# Altium PCB Lancelot.PcbDoc (part 8 of 14) (continued)
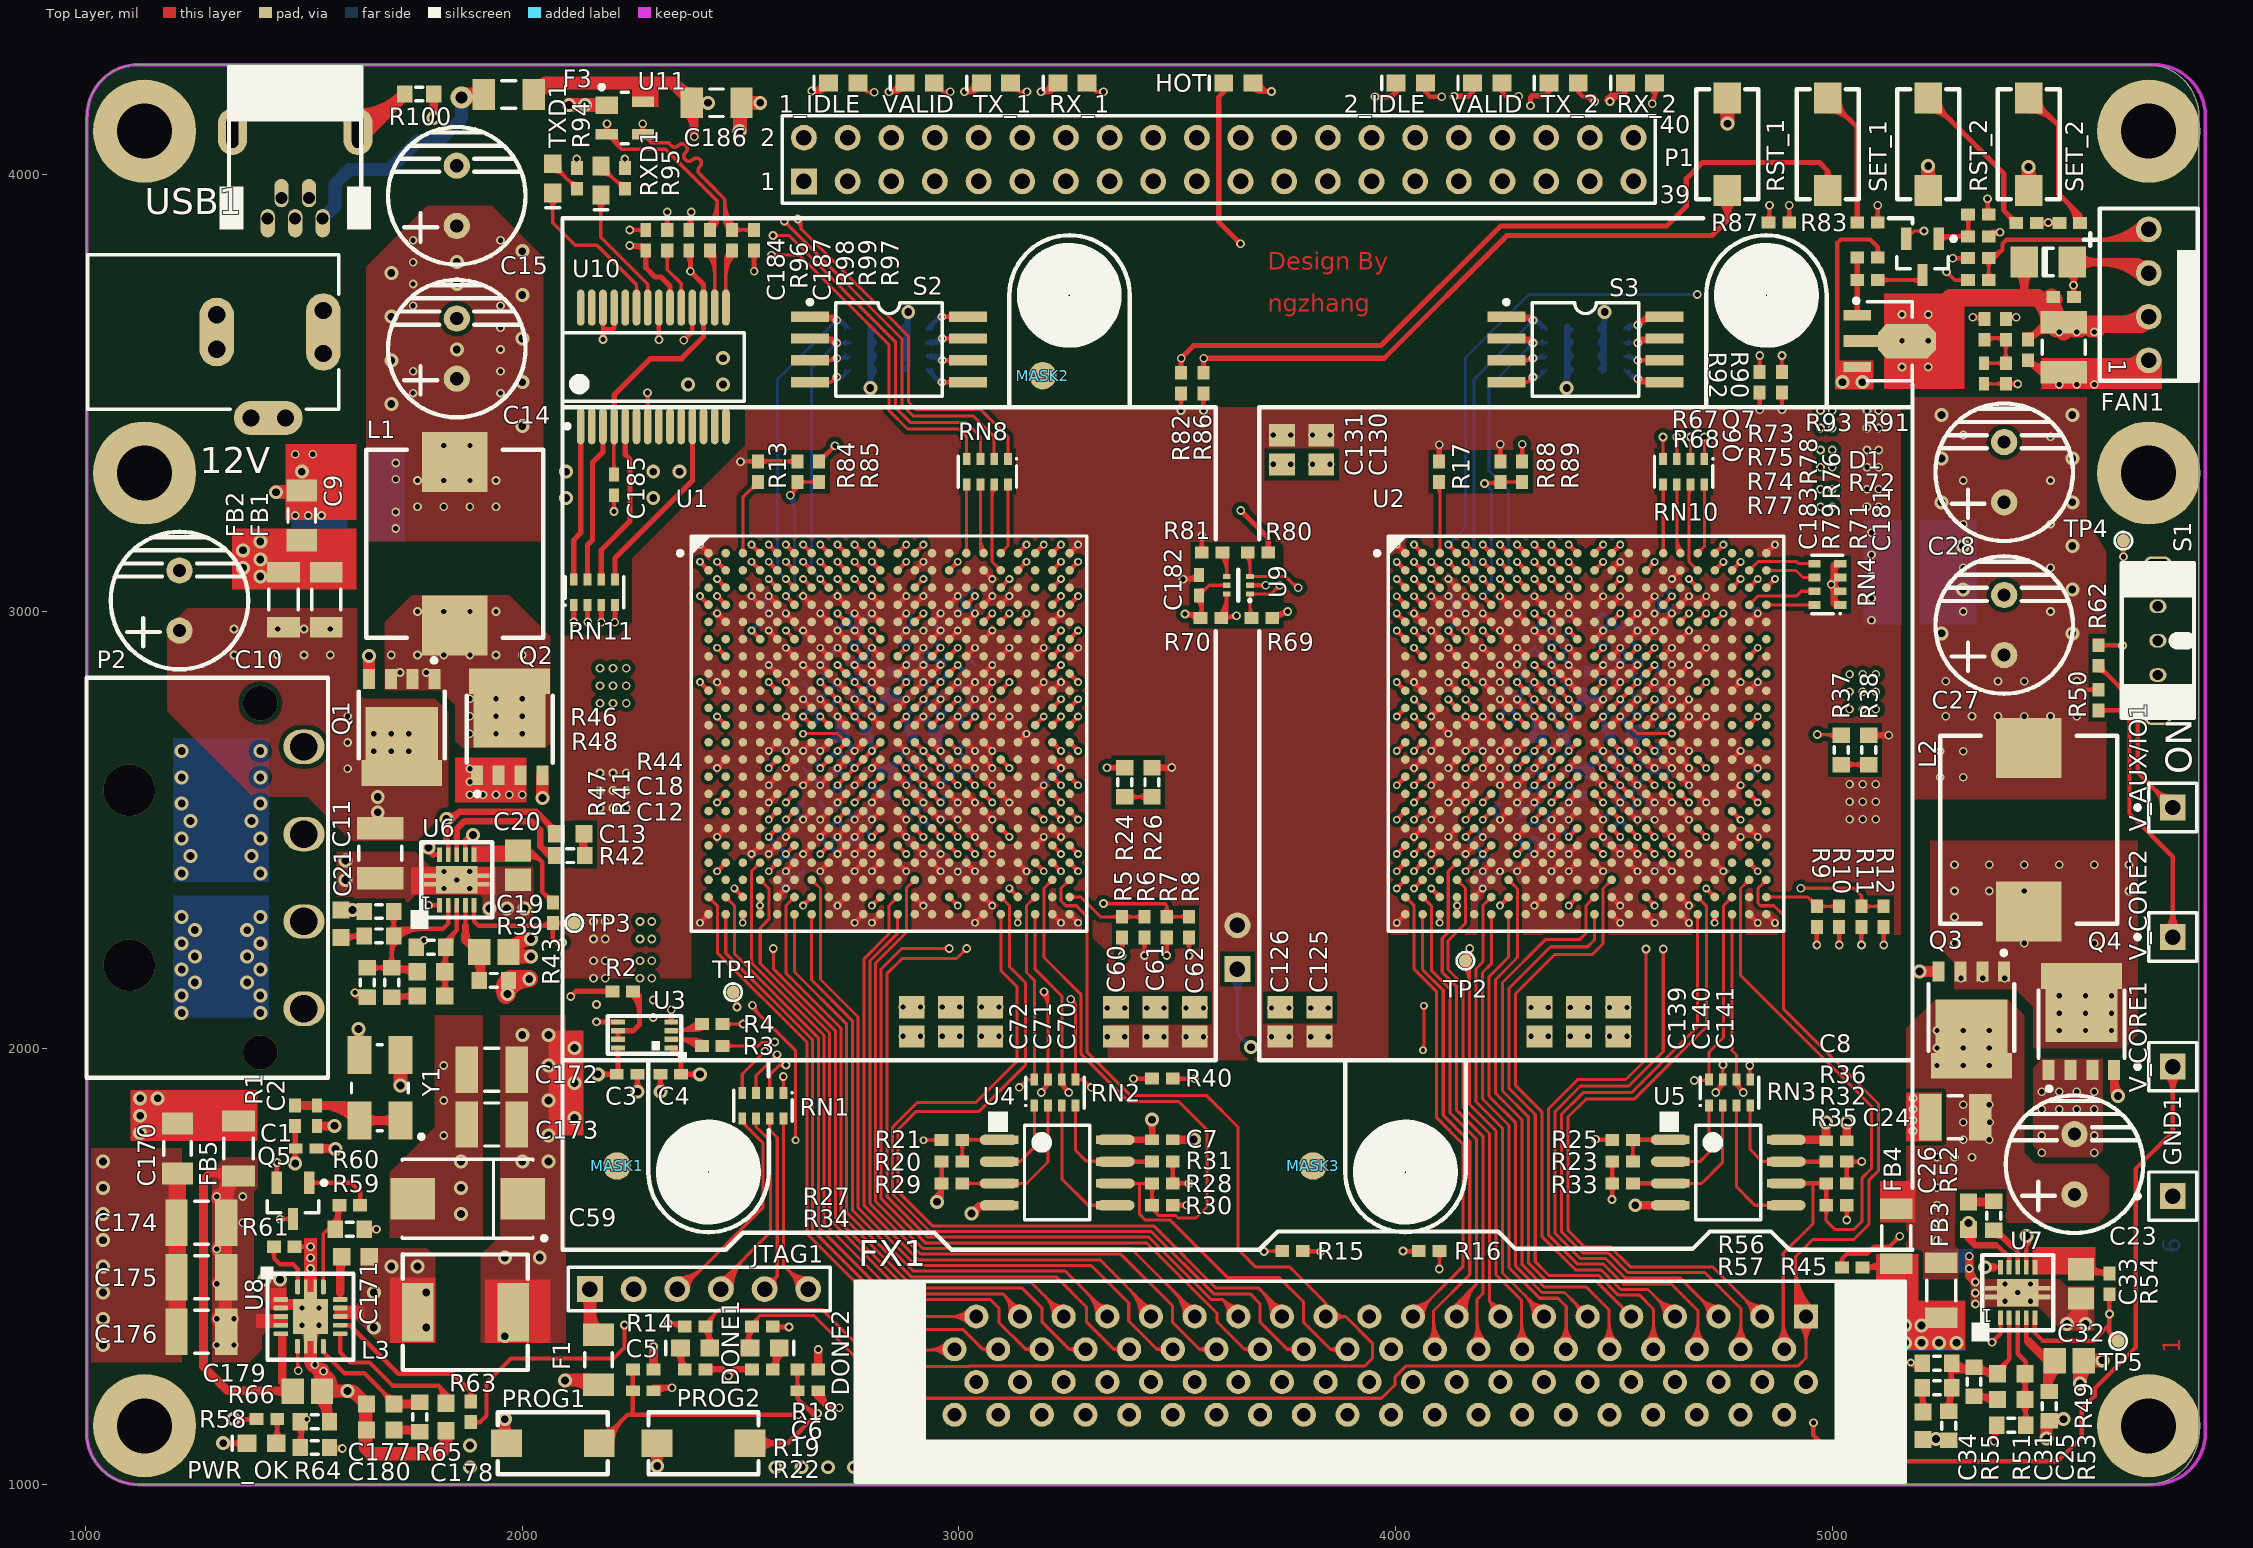
[diagram p0: Top Layer view]
## Nets (pads, with @x,y where several pads share a name; then routed paths per layer and width w, separated by ;. In a path a pad name is that pad's centre, name@x,y a point inside that pad or via, vN(x,y) a via of type N, cw(c..) or ccw(c..) an arc to the next point about the centre after c; other vN are vias at no path point) (continued)
2931,2898 ccw(c2914.67,2898) 2926.22,2909.55 ; 2926.05,2633.95 cw(c2914.1,2622) C87.1@2931,2622 ; C47.1@2938,2464 v1@2918.57,2444.57 ; C65.1@2938,2976 C65.1@2938.26,2975.74 ; C47.1@2938.34,2464.18 v1(2958.11,2444.41) ; C89.1@2938.34,2542.92 v1(2958.11,2523.15) ; C84.1@2938.43,2897.17 v1@2958.2,2877.39 ; C84.1@2938.5,2898 C84.1@2938.13,2897.63 ; C84.1@2938.6,2897.17 C84.1@2938.13,2897.63 ; C47.1@2945.5,2464 ccw(c2962.35,2464) 2950.44,2452.08 ; C89.1@2946,2542 ccw(c2962.27,2542) 2950.77,2530.49 ; C87.1@2946,2622 ccw(c2965.31,2622) 2951.66,2608.34 ; C84.1@2946,2898 ccw(c2966.3,2898) v1@2951.95,2883.64 ; C77.1@2946.07,2818 ccw(c2964.18,2818) 2951.37,2805.2 ; C65.1@2947.39,2969.1 ccw(c2964.16,2978.78) v1@2959.15,2960.09 ; C47.1@2947.46,2457.24 ccw(c2964.13,2466.87) v1@2959.15,2448.27 ; C65.1@2947.46,2982.76 cw(c2964.13,2973.14) v1@2959.15,2991.73 ; C89.1@2947.71,2535.79 ccw(c2964.02,2545.21) v1@2959.15,2527.01 ; C77.1@2947.88,2811.25 ccw(c2963.95,2820.53) v1@2959.15,2802.6 ; 2948.39,2614.01 ccw(c2963.73,2622.87) v1@2959.15,2605.75 ; 2948.6,2889.44 ccw(c2963.64,2898.12) v1@2959.15,2881.34 ; 2950.44,2987.92 ccw(c2962.35,2976) 2945.5,2976 ccw(c2963.61,2976) 2950.8,2963.2 ; 2950.71,2963.29 ccw(c2958.11,2970.68) v1@2958.11,2960.22 ; 2950.8,2805.77 ccw(c2958.11,2813.08) 2958.11,2802.74 ccw(c2958.11,2814.26) 2966.26,2806.12 ; 2951.48,2805.09 cw(c2945.13,2798.74) v1@2954.11,2798.74 ; 2951.52,2962.48 cw(c2945.26,2956.22) v1@2954.11,2956.22 ; v1@2954.11,2444.41 ccw(c2944.45,2444.41) 2951.28,2451.24 ccw(c2958.11,2458.07) v1@2958.11,2448.41 ; v1@2954.11,2523.15 ccw(c2944.45,2523.15) 2951.28,2529.98 ccw(c2958.11,2536.81) 2958.11,2527.15 ccw(c2958.11,2539.31) 2966.71,2530.71 ; v1@2954.11,2601.89 ccw(c2944.45,2601.89) 2951.28,2608.72 ccw(c2958.11,2615.55) 2958.11,2605.89 ccw(c2958.11,2615.54) 2964.94,2608.72 ccw(c2971.77,2601.89) v1@2962.11,2601.89 ; v1@2954.11,2877.48 ccw(c2944.46,2877.48) 2951.28,2884.31 ccw(c2958.11,2891.14) v1@2958.11,2881.48 ; v1@2954.11,2995.59 cw(c2944.45,2995.59) 2951.28,2988.76 cw(c2958.11,2981.93) v1@2958.11,2991.59 ; v1@2957.08,2527.01 ccw(c2951.83,2546.6) C90.1@2969.39,2536.46 ; v1@2957.08,2605.75 ccw(c2952.34,2623.44) 2968.2,2614.29 ; v1@2957.08,2802.6 ccw(c2951.9,2821.93) C78.1@2969.22,2811.93 ; v1@2957.08,2881.34 ccw(c2952.56,2898.19) 2967.66,2889.47 ; v1@2957.77,2956.23 C65.1@2938.26,2975.74 ; v1@2958.02,2601.8 v1(2958.11,2601.89) ; v1@2958.2,2995.68 v1(2958.11,2995.59) C65.1@2938.26,2975.74 ; v1@2958.23,2522.23 C90.1@2978,2542 C90.1@2978.32,2542.32 ; v1@2958.23,2878.23 C80.1@2978,2898 ; v1@2962.11,2877.48 cw(c2973.29,2877.48) 2965.39,2885.39 ; 2965.04,2608.82 ccw(c2951.86,2622) C96.1@2970.5,2622 ; 2965.2,2529.2 ccw(c2952.39,2542) C90.1@2970.5,2542 ; 2965.2,2885.2 ccw(c2952.39,2898) C80.1@2970.5,2898 ; 2965.34,2805.2 ccw(c2952.54,2818) C78.1@2970.64,2818 ; C90.1@2977.71,2542.92 C90.1@2978.32,2542.32 ; C96.1@2977.8,2621.57 v1(2958.11,2601.89) ; C96.1@2978,2622 v1@2997.77,2641.77 ; C96.1@2985.5,2622 cw(c3003.61,2622) 2990.8,2634.8 ccw(c2984.36,2641.26) v1@2993.48,2641.26 ; C78.1@2985.64,2818 cw(c3003.75,2818) 2990.95,2830.8 ; C90.1@2987.25,2535.66 ccw(c3003.32,2544.94) v1@2998.52,2527.01 ; C96.1@2987.36,2628.83 cw(c3003.27,2619.64) v1@2998.52,2637.4 ; 2988.49,2826.56 cw(c3002.79,2818.3) v1@2998.52,2834.25 ; 2988.66,2551.09 cw(c3002.72,2542.98) v1@2998.52,2558.66 ; 2989.92,2553.92 ccw(c2981.32,2562.52) v1@2993.48,2562.52 ; 2990.11,2829.96 ccw(c2981.96,2838.11) v1@2993.48,2838.11 ; 2990.27,2634.27 cw(c2997.48,2627.07) 2997.48,2637.26 cw(c2997.48,2627.6) 3004.31,2634.43 cw(c3011.14,2641.26) v1@3001.48,2641.26 ; 2990.36,2530.27 cw(c3002.09,2542) 2985.5,2542 cw(c3003.61,2542) 2990.8,2554.8 ; v1@2993.48,2523.15 ccw(c2983.82,2523.15) 2990.65,2529.98 ccw(c2997.48,2536.81) v1@2997.48,2527.15 ; v1@2996.19,2408.09 ccw(c2991.44,2425.83) 3007.34,2416.65 ; v1@2996.19,2999.09 ccw(c2991.44,3016.83) 3007.34,3007.65 ; v1@2996.45,2637.4 cw(c2991.72,2619.74) C42.1@3007.54,2628.88 ; v1@2996.45,2755.51 cw(c2991.71,2737.83) C35.1@3007.56,2746.98 ; v1@2996.45,2834.25 cw(c2992.04,2817.79) 3006.79,2826.31 ; v1@2996.45,3031.1 cw(c2991.97,3014.39) 3006.95,3023.04 ; v1(2997.23,2404.23) C63.1@3017,2424 ; v1@2997.23,2408.23 ccw(c2997.23,2417.88) 3004.06,2411.06 ccw(c3010.88,2404.23) v1@3001.23,2404.23 ; v1@2997.23,2759.77 C35.1@3017,2740 ; v1@2997.23,2837.77 v1@2997.57,2837.43 ; v1(2997.23,2995.23) C51.1@3017,3015 v1@2997.23,3034.77 ; v1@2997.23,2999.23 ccw(c2997.23,3008.88) 3004.06,3002.06 ccw(c3010.88,2995.23) v1@3001.23,2995.23 ; v1(2997.48,2523.15) C90.1@2978.32,2542.32 ; v1(2997.48,2641.26) 3016.87,2621.87 C42.1@3017.17,2621.57 ; v1@2997.48,2755.37 cw(c2997.48,2745.36) 3004.56,2752.44 ; v1@2997.77,2561.77 C90.1@2978.32,2542.32 ; v1@2997.91,2837.77 v1@2997.57,2837.43 ; v1@3001.48,2759.37 ccw(c3010.78,2759.37) 3004.21,2752.79 cw(c2991.39,2740) C35.1@3009.5,2740 ; v1@3001.48,2838.11 ccw(c3012.57,2838.11) 3004.73,2830.27 ; v1@3001.48,3034.96 ccw(c3012.21,3034.96) 3004.62,3027.38 ; 3004.2,2411.2 ccw(c2991.39,2424) C63.1@3009.5,2424 ; 3004.2,2830.8 cw(c2991.39,2818) C41.1@3009.5,2818 ; 3004.2,3002.2 ccw(c2991.39,3015) 3009.5,3015 ccw(c2991.39,3015) 3004.2,3027.8 ; 3004.38,2634.36 cw(c2992.02,2622) C42.1@3009.5,2622 ; C63.1@3017.08,2424.81 v1(3036.85,2405.04) ; C42.1@3017.08,2621.49 C42.1@3017.17,2621.57 ; C51.1@3017.08,3015.36 v1(3036.85,2995.59) ; C41.1@3017.17,2818.43 C41.1@3017.3,2818.3 ; C42.1@3017.25,2621.49 C42.1@3017.17,2621.57 ; C63.1@3024.5,2424 ccw(c3040.46,2424) 3029.17,2412.72 ; C42.1@3024.5,2622 cw(c3041.18,2622) 3029.38,2633.79 ; C51.1@3024.5,3015 ccw(c3041.54,3015) 3029.49,3002.95 ; C39.1@3026.14,2903.97 cw(c3042.89,2894.3) v1@3037.89,2912.99 ; C63.1@3026.2,2417.87 ccw(c3042.87,2427.5) v1@3037.89,2408.9 ; C42.1@3026.36,2628.55 cw(c3042.8,2619.05) v1@3037.89,2637.4 ; C41.1@3026.36,2811.45 ccw(c3042.8,2820.95) v1@3037.89,2802.6 ; C51.1@3026.44,3008.24 ccw(c3042.77,3017.67) v1@3037.89,2999.46 ; 3026.94,2825.85 cw(c3042.55,2816.84) v1@3037.89,2834.25 ; 3029.1,2909.1 ccw(c3040.19,2898) 3024.5,2898 ccw(c3044.22,2898) 3030.28,2884.05 ; 3029.39,2806.2 cw(c3041.18,2818) 3024.5,2818 cw(c3042.61,2818) 3029.8,2830.8 ; 3029.84,2830.84 ccw(c3022.57,2838.11) v1@3032.85,2838.11 ; 3030.47,2831.47 cw(c3036.85,2825.08) v1@3036.85,2834.11 ; v1@3032.85,2405.04 ccw(c3023.19,2405.04) 3030.02,2411.87 ccw(c3036.85,2418.7) v1@3036.85,2409.04 ; v1@3032.85,2641.26 cw(c3023.19,2641.26) 3030.02,2634.43 cw(c3036.85,2627.6) v1@3036.85,2637.26 ; v1@3032.85,2798.74 ccw(c3023.2,2798.74) 3030.02,2805.57 ccw(c3036.85,2812.4) v1@3036.85,2802.74 ; v1@3032.85,2916.85 cw(c3023.19,2916.85) 3030.02,2910.02 cw(c3036.85,2903.19) v1@3036.85,2912.85 ; v1@3032.85,2995.59 ccw(c3023.19,2995.59) 3030.02,3002.42 ccw(c3036.85,3009.25) v1@3036.85,2999.59 ; v1@3036.77,2837.77 C41.1@3017.3,2818.3 ; v1(3036.85,2641.26) C42.1@3017.17,2621.57 ; v1(3036.85,2798.74) v1(3036.85,2798.74) C41.1@3017.3,2818.3 ; 3036.94,2877.39 3017.17,2897.17 v1(3036.85,2916.85) v1(3036.85,2916.85) ; v1@3193.3,2605.75 ccw(c3188.68,2622.99) 3204.13,2614.07 ; v1(3194.33,2601.89) v1(3233.7,2641.26) ; v1@3194.33,2605.89 ccw(c3194.33,2615.55) 3201.16,2608.72 ccw(c3207.98,2601.89) v1@3198.33,2601.89 ; 3200.88,2608.44 ccw(c3187.32,2622) C46.1@3206.5,2622 ; C46.1@3221.5,2622 cw(c3238.54,2622) 3226.49,2634.05 ; C46.1@3223.4,2628.7 cw(c3239.57,2619.36) v1@3234.74,2637.4 ; v1@3229.7,2641.26 cw(c3220.04,2641.26) 3226.87,2634.43 cw(c3233.7,2627.6) v1@3233.7,2637.26 ; v1@4119.91,3031.11 cw(c4115.05,3012.96) 4131.32,3022.36 ; v1@4120,2999.38 ccw(c4114.96,3018.17) C108.1@4131.8,3008.45 ; v1@4120.94,3030.98 cw(c4120.94,3021.32) 4127.77,3028.15 cw(c4134.6,3034.98) v1@4124.94,3034.98 ; v1(4120.94,3034.98) 4140.72,3015.2 v1@4160.49,3034.98 ; v1@4121.03,2999.52 ccw(c4121.03,3010.36) 4128.7,3002.7 ; v1@4121.23,2995.23 C108.1@4141,3015 v1(4160.77,2995.23) ; 4128.2,3002.2 ccw(c4115.39,3015) 4133.5,3015 ccw(c4115.58,3015) 4128.25,3027.67 ; 4150.66,3007.65 ccw(c4166.56,3016.83) v1@4161.81,2999.09 ; 4150.83,3022.89 cw(c4165.96,3014.16) v1@4161.44,3031.03 ; 4153.57,3028.06 ccw(c4146.74,3034.89) v1@4156.4,3034.89 ; 4153.58,3028.06 cw(c4160.4,3021.24) v1@4160.4,3030.89 ; 4153.8,3002.2 cw(c4166.61,3015) 4148.5,3015 cw(c4167.79,3015) v1@4154.15,3028.64 ; v1@4156.77,2995.23 ccw(c4147.12,2995.23) 4153.94,3002.06 ccw(c4160.77,3008.88) v1@4160.77,2999.23 ; v1@4159.37,2684.42 ccw(c4154.86,2701.23) 4169.93,2692.53 ; v1(4160.4,2680.56) C117.1@4180.09,2700.24 ; v1@4160.4,2684.56 ccw(c4160.4,2694.22) 4167.23,2687.39 ccw(c4174.06,2680.56) v1@4164.4,2680.56 ; v1@4166.6,2686.76 ccw(c4152.36,2701) C117.1@4172.5,2701 ; C124.1@4180,2385.37 C124.1@4180.09,2385.28 ; C129.1@4180,2503 v1(4199.77,2483.23) ; C117.1@4180.17,2700.33 C117.1@4180.09,2700.24 ; C129.1@4187.5,2503 ccw(c4205.61,2503) 4192.8,2490.2 ; C117.1@4187.5,2701 ccw(c4207.22,2701) 4193.28,2687.05 ; C124.1@4189.46,2378.17 ccw(c4205.65,2387.52) v1@4200.81,2369.46 ; 4189.66,2495.65 ccw(c4205.56,2504.83) v1@4200.81,2487.09 ; 4189.76,2392.63 cw(c4205.51,2383.53) v1@4200.81,2401.1 ; 4190.04,2692.67 ccw(c4205.52,2701.61) v1@4200.89,2684.34 ; 4192.54,2372.83 cw(c4204.71,2385) 4187.5,2385 cw(c4206.08,2385) 4192.94,2398.14 ; v1@4195.77,2365.6 ccw(c4186.12,2365.6) 4192.94,2372.43 ccw(c4199.77,2379.26) 4199.77,2369.6 ccw(c4199.77,2378.84) 4206.31,2372.31 ; v1@4195.77,2404.97 cw(c4186.11,2404.97) 4192.94,2398.14 ; v1@4195.77,2483.23 ccw(c4186.12,2483.23) 4192.94,2490.06 ccw(c4199.77,2496.88) v1@4199.77,2487.23 ; v1@4195.86,2680.47 ccw(c4186.2,2680.47) 4193.03,2687.3 ccw(c4199.86,2694.13) v1@4199.86,2684.47 ; v1@4198.74,2369.46 ccw(c4194.24,2386.26) 4209.3,2377.57 ; v1@4198.74,2401.1 cw(c4194.33,2384.65) 4209.08,2393.17 ; v1@4199.23,2365.23 v1@4199.69,2365.69 ; v1(4199.77,2365.6) v1@4199.69,2365.69 ; v1@4199.86,2405.06 v1(4199.77,2404.97) ; v1(4199.86,2680.47) C117.1@4180.09,2700.24 ; v1@4203.77,2365.6 cw(c4213.85,2365.6) 4206.72,2372.72 ; v1@4203.77,2404.97 ccw(c4213.43,2404.97) 4206.6,2398.14 ccw(c4199.77,2391.31) 4199.77,2400.97 ccw(c4199.77,2391.31) 4192.94,2398.14 ; v1@4205.67,2399.06 cw(c4191.61,2385) 4211.5,2385 cw(c4193.39,2385) 4206.2,2372.2 ; C107.1@4219,2385 v1@4199.69,2365.69 ; C107.1@4219.37,2385.2 C107.1@4219.46,2385.28 ; C133.1@4219.37,2542.68 C133.1@4219.46,2542.76 ; C133.1@4219.37,2542.85 C133.1@4219.46,2542.76 ; C107.1@4219.54,2385.2 C107.1@4219.46,2385.28 ; C107.1@4226.5,2385 cw(c4244.19,2385) 4231.68,2397.51 ; 4228.65,2392.26 cw(c4245.09,2382.77) v1@4240.18,2401.1 ; 4229.92,2534.81 ccw(c4244.55,2543.25) v1@4240.18,2526.94 ; 4233.02,2556.33 ccw(c4246.35,2543) 4227.5,2543 ccw(c4247.49,2543) v1@4233.36,2528.86 ; v1@4235.14,2404.97 cw(c4225.48,2404.97) 4232.31,2398.14 cw(c4239.14,2391.31) v1@4239.14,2400.97 ; v1@4235.14,2523.08 ccw(c4225.48,2523.08) 4232.31,2529.91 ccw(c4239.14,2536.73) v1@4239.14,2527.08 ; v1@4238.02,2834.26 cw(c4233.25,2816.47) 4249.21,2825.68 ; v1@4238.11,2605.68 ccw(c4233.4,2623.25) 4249.15,2614.16 ; v1@4238.11,2637.32 cw(c4233.17,2618.91) C116.1@4249.68,2628.44 ; v1@4238.11,2684.42 ccw(c4233.14,2702.96) C122.1@4249.76,2693.36 ; v1@4238.11,2802.53 ccw(c4233.09,2821.25) C102.1@4249.87,2811.56 ; v1@4239.05,2834.13 cw(c4239.05,2824.47) 4245.88,2831.3 cw(c4252.71,2838.13) v1@4243.05,2838.13 ; v1(4239.05,2838.13) C102.1@4258.83,2818.35 ; v1(4239.14,2404.97) C107.1@4219.46,2385.28 ; v1(4239.14,2523.08) 4219.61,2542.61 C133.1@4219.46,2542.76 ; 4239.14,2562.45 C133.1@4219.46,2542.76 ; v1(4239.14,2601.82) C116.1@4258.83,2621.5 ; v1@4239.14,2605.82 ccw(c4239.14,2615.47) 4245.97,2608.65 ; v1@4239.14,2637.19 cw(c4239.14,2627.53) 4245.97,2634.36 cw(c4252.8,2641.19) v1@4243.14,2641.19 ; v1(4239.14,2641.19) 4258.66,2621.66 C116.1@4258.83,2621.5 ; v1@4239.14,2684.56 ccw(c4239.14,2695.22) 4246.68,2687.68 ; v1@4239.14,2802.67 ccw(c4239.14,2813.61) 4246.87,2805.87 ; v1@4239.23,2680.23 C122.1@4259,2700 v1@4278.77,2680.23 ; v1@4239.23,2798.23 C102.1@4259,2818 v1@4278.77,2798.23 ; v1@4243.14,2601.82 cw(c4252.8,2601.82) 4245.97,2608.65 ; 4246.07,2831.11 cw(c4232.96,2818) 4251.5,2818 cw(c4233.39,2818) 4246.2,2805.2 ; 4246.2,2687.2 ccw(c4233.39,2700) C122.1@4251.5,2700 ; 4246.67,2633.66 cw(c4235.01,2622) 4251.5,2622 cw(c4232.61,2622) 4245.97,2608.65 ; C116.1@4258.91,2621.42 C116.1@4258.83,2621.5 ; C116.1@4258.91,2621.59 C116.1@4258.83,2621.5 ; C122.1@4266.5,2700 ccw(c4284.61,2700) 4271.8,2687.2 ; C102.1@4266.5,2818 ccw(c4284.61,2818) 4271.8,2805.2 cw(c4265.29,2798.67) v1@4274.51,2798.67 ; C102.1@4268.4,2811.08 ccw(c4284.3,2820.26) v1@4279.55,2802.53 ; 4268.52,2692.88 ccw(c4284.25,2701.96) v1@4279.55,2684.42 ; 4271.37,2805.63 ccw(c4278.51,2812.76) 4278.51,2802.67 ccw(c4278.51,2812.33) 4285.34,2805.5 ccw(c4292.17,2798.67) v1@4282.51,2798.67 ; 4271.56,2687.44 ccw(c4278.51,2694.38) v1@4278.51,2684.56 ; 4271.73,2687.27 cw(c4265.02,2680.56) v1@4274.51,2680.56 ; v1@4277.19,2882.09 ccw(c4272.44,2899.83) 4288.34,2890.65 ; v1@4277.48,2479.84 cw(c4272.91,2462.81) 4288.19,2471.63 ; v1@4277.48,2558.58 cw(c4273.03,2542) 4287.9,2550.59 ; v1@4277.48,2605.68 ccw(c4272.97,2622.49) 4288.04,2613.79 ; v1@4277.48,2802.53 ccw(c4272.78,2820.07) C161.1@4288.5,2810.99 ; v1@4277.48,2912.92 cw(c4272.5,2894.35) C160.1@4289.15,2903.96 ; v1@4278.23,2483.77 C127.1@4298,2464 4317.77,2444.23 4337.54,2464 C114.1@4337.6,2464.06 ; 4278.23,2522.23 C148.1@4298,2542 ; v1(4278.23,2878.23) C160.1@4298,2898 ; v1@4278.23,2882.23 ccw(c4278.23,2891.88) 4285.06,2885.06 ccw(c4291.88,2878.23) v1@4282.23,2878.23 ; v1@4278.23,2917.77 C160.1@4298,2898 ; v1@4278.42,2601.73 v1(4278.51,2601.82) C154.1@4298.2,2621.5 ; v1@4278.51,2479.71 cw(c4278.51,2470.58) 4284.97,2477.03 ; v1@4278.51,2558.45 cw(c4278.51,2548.79) 4285.34,2555.62 cw(c4292.17,2562.45) v1@4282.51,2562.45 ; v1(4278.51,2562.45) C148.1@4298.2,2542.76 ; v1@4278.51,2605.82 ccw(c4278.51,2615.47) 4285.34,2608.65 ccw(c4292.17,2601.82) v1@4282.51,2601.82 ; v1(4278.51,2798.67) C161.1@4298.28,2818.44 ; v1@4278.51,2912.78 cw(c4278.51,2901.41) 4286.55,2909.45 ; v1@4282.51,2483.71 ccw(c4292.7,2483.71) 4285.49,2476.51 ; v1@4284.52,2556.44 cw(c4270.08,2542) 4290.5,2542 cw(c4272.39,2542) 4285.2,2529.2 ; v1@4284.71,2608.01 ccw(c4270.72,2622) C154.1@4290.5,2622 ; 4285.2,2476.8 cw(c4272.39,2464) C127.1@4290.5,2464 ; 4285.2,2885.2 ccw(c4272.39,2898) 4290.5,2898 ccw(c4272.39,2898) v1@4285.2,2910.8 ; 4285.31,2805.47 ccw(c4272.78,2818) C161.1@4290.5,2818 ; C148.1@4298.11,2542.68 C148.1@4298.2,2542.76 ; C154.1@4298.11,2621.42 v1(4317.88,2641.19) ; C161.1@4298.11,2818.27 v1(4317.88,2838.04) v1(4357.25,2798.67) v1(4396.62,2838.04) ; C127.1@4298.2,2464.02 4317.92,2483.75 ; C148.1@4298.28,2542.68 C148.1@4298.2,2542.76 ; C148.1@4305.5,2542 cw(c4324.98,2542) 4311.2,2555.77 ; C154.1@4305.5,2622 cw(c4321.93,2622) 4310.31,2633.62 ; C161.1@4305.5,2818 cw(c4323.99,2818) 4310.92,2831.08 ; C160.1@4305.5,2898 cw(c4323.61,2898) 4310.8,2910.8 ; C154.1@4307.31,2628.42 cw(c4323.86,2618.86) v1@4318.92,2637.32 ; C127.1@4307.46,2457 ccw(c4323.8,2466.43) v1@4318.92,2448.2 ; 4307.77,2825.62 cw(c4323.67,2816.44) v1@4318.92,2834.18 ; 4307.99,2550.2 cw(c4323.58,2541.2) v1@4318.92,2558.58 ; 4310.68,2451.32 ccw(c4317.88,2458.52) 4317.88,2448.34 ccw(c4317.88,2458) 4324.71,2451.17 ccw(c4331.54,2444.34) v1@4321.88,2444.34 ; 4310.68,2476.51 ccw(c4323.19,2464) 4305.5,2464 ccw(c4323.61,2464) 4310.8,2451.2 ; 4311.21,2450.79 cw(c4304.75,2444.34) v1@4313.88,2444.34 ; v1@4313.88,2562.45 cw(c4304.22,2562.45) 4311.05,2555.62 cw(c4317.88,2548.79) 4317.88,2558.45 cw(c4317.88,2548.79) 4324.71,2555.62 cw(c4331.54,2562.45) v1@4321.88,2562.45 ; v1@4313.88,2641.19 cw(c4304.22,2641.19) 4311.05,2634.36 cw(c4317.88,2627.53) 4317.88,2637.19 cw(c4317.88,2626.49) 4325.45,2634.05 ; v1@4313.88,2838.04 cw(c4304.22,2838.04) 4311.05,2831.21 cw(c4317.88,2824.38) 4317.88,2834.04 cw(c4317.88,2824.38) 4324.71,2831.21 cw(c4331.54,2838.04) v1@4321.88,2838.04 ; v1@4316.85,2448.2 ccw(c4312.06,2466.06) 4328.07,2456.82 ; v1@4316.85,2558.58 cw(c4312.33,2541.74) 4327.44,2550.46 ; v1@4316.85,2637.32 cw(c4311.95,2619.06) C157.1@4328.33,2628.51 ; v1@4316.85,2834.18 cw(c4312.24,2816.98) 4327.66,2825.88 ; v1@4316.85,2960.01 ccw(c4312.47,2976.34) 4327.11,2967.89 ; v1@4317.73,2641.77 C157.1@4337.5,2622 v1@4357.27,2602.23 ; 4317.77,2917.77 C160.1@4298,2898 ; 4317.79,2916.87 v1(4357.25,2877.41) ; v1@4317.79,2956.06 4337.57,2975.83 v1(4357.25,2956.15) ; v1@4317.88,2960.15 ccw(c4317.88,2969.81) 4324.71,2962.98 ccw(c4331.53,2956.15) v1@4321.88,2956.15 ; 4317.97,2483.8 4317.92,2483.75 ; v1@4323.68,2961.95 ccw(c4309.63,2976) C111.1@4329.5,2976 ; v1@4324.11,2556.22 cw(c4309.89,2542) C149.1@4330,2542 ; 4324.4,2831.52 cw(c4310.88,2818) C164.1@4330,2818 ; 4324.7,2634.8 cw(c4311.89,2622) C157.1@4330,2622 ; 4324.86,2476.8 cw(c4312.06,2464) 4330.17,2464 cw(c4312.36,2464) 4324.95,2451.41 ; 4325.29,2909.37 cw(c4313.92,2898) C162.1@4330,2898 ; C149.1@4337.5,2542 4357.25,2522.25 C150.1@4377,2542 v1@4396.77,2522.23 ; C149.1@4337.65,2542.68 v1(4317.88,2562.45) C148.1@4298.2,2542.76 ; C111.1@4344.5,2976 ccw(c4361.64,2976) 4349.52,2963.88 ; C149.1@4345,2542 ccw(c4363.11,2542) 4350.3,2529.2 ; C157.1@4345,2622 ccw(c4363.11,2622) 4350.3,2609.2 ; C164.1@4345,2818 ccw(c4362.09,2818) 4350.01,2805.92 ; C162.1@4345,2898 ccw(c4365.13,2898) v1@4350.9,2883.77 ; C149.1@4346.29,2536.15 ccw(c4363.4,2546.02) v1@4358.29,2526.94 ; C111.1@4346.56,2969.02 ccw(c4363.29,2978.68) v1@4358.29,2960.01 ; C164.1@4346.92,2811.25 ccw(c4363.13,2820.61) v1@4358.29,2802.53 ; 4347.36,2456.59 ccw(c4362.94,2465.59) v1@4358.29,2448.2 ; 4347.34,2471.45 cw(c4362.95,2462.44) v1@4358.29,2479.84 ; 4347.6,2613.88 ccw(c4362.84,2622.69) v1@4358.29,2605.68 ; 4347.6,2889.47 ccw(c4362.84,2898.27) v1@4358.29,2881.27 ; 4349.01,2530.49 ccw(c4357.25,2538.74) 4357.25,2527.08 ccw(c4357.25,2538.73) 4365.49,2530.49 ; 4350.12,2609.38 cw(c4342.55,2601.82) v1@4353.25,2601.82 ; 4350.37,2451.3 cw(c4343.41,2444.34) v1@4353.25,2444.34 ; 4350.47,2451.2 cw(c4363.27,2464) 4345.17,2464 cw(c4363.57,2464) 4350.56,2477.01 ; 4350.56,2451.11 ccw(c4357.25,2457.81) 4357.25,2448.34 ccw(c4357.25,2457.99) 4364.08,2451.17 ccw(c4370.91,2444.34) v1@4361.25,2444.34 ; v1@4353.25,2483.71 cw(c4343.59,2483.71) 4350.42,2476.88 cw(c4357.25,2470.05) 4357.25,2479.71 cw(c4357.25,2469.15) 4364.72,2476.61 ; v1@4353.25,2798.67 ccw(c4343.59,2798.67) 4350.42,2805.5 ccw(c4357.25,2812.33) 4357.25,2802.67 ccw(c4357.25,2812.33) 4364.08,2805.5 ccw(c4370.91,2798.67) v1@4361.25,2798.67 ; v1@4353.25,2877.41 ccw(c4343.59,2877.41) 4350.42,2884.24 ccw(c4357.25,2891.07) v1@4357.25,2881.41 ; v1@4353.25,2956.15 ccw(c4343.59,2956.15) 4350.42,2962.98 ccw(c4357.25,2969.81) 4357.25,2960.15 ccw(c4357.25,2969.81) 4364.08,2962.98 ccw(c4370.9,2956.15) v1@4361.25,2956.15 ; v1@4356.22,2448.2 ccw(c4351.27,2466.67) C112.1@4367.83,2457.11 ; v1@4356.22,2479.84 cw(c4351.2,2461.11) C112.1@4367.99,2470.81 ; v1@4356.22,2526.94 ccw(c4351.1,2546.02) C150.1@4368.21,2536.14 ; v1@4356.22,2605.68 ccw(c4351.57,2623.02) 4367.12,2614.05 ; v1@4356.22,2802.53 ccw(c4351.37,2820.6) C165.1@4367.57,2811.25 ; v1@4356.22,2881.27 ccw(c4351.84,2897.6) 4366.48,2889.15 ; v1@4356.22,2960.01 ccw(c4351.71,2976.82) 4366.78,2968.12 ; v1@4356.22,2991.66 cw(c4351.64,2974.57) 4366.95,2983.42 ; v1@4357.16,2601.73 v1(4357.25,2601.82) v1(4396.62,2641.19) ; v1@4357.16,2956.06 v1@4357.25,2956.15 ; v1(4357.25,2444.34) v1@4357.29,2444.38 ; v1@4357.25,2605.82 ccw(c4357.25,2615.47) 4364.08,2608.65 ccw(c4370.91,2601.82) v1@4361.25,2601.82 ; v1@4357.23,2878.23 C163.1@4377,2898 v1@4396.77,2917.77 ; v1@4357.25,2991.52 cw(c4357.25,2981.86) 4364.08,2988.69 cw(c4370.91,2995.52) v1@4361.25,2995.52 ; v1(4357.25,2995.52) C121.1@4376.69,2976.09 ; v1@4357.34,2483.8 C114.1@4337.6,2464.06 ; v1@4357.34,2956.06 v1@4357.25,2956.15 ; v1@4357.44,2444.23 v1@4357.29,2444.38 ; v1@4357.56,2483.77 C112.1@4377.33,2464 v1@4397.11,2444.23 ; v1@4361.25,2483.71 ccw(c4370,2483.71) 4363.81,2477.52 ; v1@4361.25,2877.41 cw(c4372.94,2877.41) 4364.67,2885.67 ; v1@4363.44,2962.34 ccw(c4349.78,2976) 4369.1,2976 ccw(c4350.58,2976) 4363.68,2989.1 ; 4363.89,2608.46 ccw(c4350.35,2622) C158.1@4369.5,2622 ; 4364.2,2529.2 ccw(c4351.39,2542) C150.1@4369.5,2542 ; 4364.2,2885.2 ccw(c4351.39,2898) C163.1@4369.5,2898 ; 4364.49,2805.91 ccw(c4352.41,2818) C165.1@4369.5,2818 ; 4364.53,2476.8 cw(c4351.73,2464) 4369.83,2464 cw(c4352.74,2464) 4364.83,2451.91 ; C121.1@4376.6,2976 C121.1@4376.69,2976.09 ; C150.1@4376.85,2542.68 v1(4396.62,2562.45) ; C163.1@4376.85,2897.18 v1(4396.62,2877.41) ; C112.1@4377.02,2464.11 v1@4357.29,2444.38 ; C121.1@4377.02,2975.75 C121.1@4376.94,2975.83 ; C121.1@4384.1,2976 cw(c4402.21,2976) 4389.4,2988.8 ; C158.1@4384.5,2622 cw(c4401.56,2622) 4389.5,2634.06 ; C165.1@4384.5,2818 cw(c4403.62,2818) 4390.1,2831.52 ; C112.1@4384.83,2464 ccw(c4402.94,2464) 4390.14,2451.2 ; C163.1@4385.75,2903.78 cw(c4402.73,2893.97) v1@4397.66,2912.92 ; C121.1@4385.8,2982.56 cw(c4402.71,2972.79) v1@4397.66,2991.66 ; C150.1@4385.89,2535.97 ccw(c4402.67,2545.65) v1@4397.66,2526.94 ; C158.1@4386.39,2628.68 cw(c4402.46,2619.4) v1@4397.66,2637.32 ; 4386.84,2825.88 cw(c4402.27,2816.98) v1@4397.66,2834.18 ; 4387.06,2550.46 cw(c4402.17,2541.73) v1@4397.66,2558.58 ; 4387.14,2889.34 ccw(c4402.14,2898.01) v1@4397.66,2881.27 ; 4387.26,2456.18 ccw(c4402.09,2464.74) v1@4397.66,2448.2 ; 4388.36,2909.36 cw(c4396.62,2901.09) v1@4396.62,2912.78 ; 4388.6,2530.4 ccw(c4396.62,2538.42) v1@4396.62,2527.08 ; 4388.94,2988.34 cw(c4396.62,2980.66) 4396.62,2991.52 cw(c4396.62,2981.72) 4403.55,2988.65 ; 4389.53,2451.81 cw(c4382.06,2444.34) v1@4392.62,2444.34 ; 4389.8,2529.2 cw(c4402.61,2542) 4384.5,2542 cw(c4404.6,2542) v1@4390.39,2556.21 ; 4389.8,2910.8 ccw(c4402.61,2898) 4384.5,2898 ccw(c4404.94,2898) v1@4390.49,2883.54 ; 4390.43,2450.9 ccw(c4396.62,2457.09) 4396.62,2448.34 ccw(c4396.62,2459.72) 4404.67,2451.67 ; v1@4392.62,2562.45 cw(c4382.96,2562.45) 4389.79,2555.62 cw(c4396.62,2548.79) v1@4396.62,2558.45 ; v1@4392.62,2641.19 cw(c4382.96,2641.19) 4389.79,2634.36 cw(c4396.62,2627.53) v1@4396.62,2637.19 ; v1@4392.62,2838.04 cw(c4382.96,2838.04) 4389.79,2831.21 cw(c4396.62,2824.38) v1@4396.62,2834.04 ; v1@4392.62,2877.41 ccw(c4382.96,2877.41) 4389.79,2884.24 ccw(c4396.62,2891.07) v1@4396.62,2881.41 ; v1@4395.59,2448.2 ccw(c4390.32,2467.86) C132.1@4407.94,2457.68 ; v1@4395.59,2991.66 cw(c4390.87,2974.05) 4406.65,2983.17 ; v1@4396.37,2995.77 C121.1@4376.69,2976.09 ; v1@4396.43,2995.77 C103.1@4416.2,2976 ; v1@4397.23,2444.23 C132.1@4417,2464 ; v1@4400.62,2995.52 ccw(c4410.14,2995.52) 4403.41,2988.79 cw(c4390.59,2976) C103.1@4408.7,2976 ; 4404.2,2451.2 ccw(c4391.39,2464) C132.1@4409.5,2464 ; C109.1@4455.59,2975.75 C109.1@4455.8,2976 ; 4465.7,2968.22 ccw(c4480.96,2977.03) v1@4476.4,2960.01 ; 4468.33,2963.47 cw(c4461.02,2956.15) v1@4471.36,2956.15 ; 4468.57,2988.73 ccw(c4481.3,2976) 4463.3,2976 ccw(c4481.41,2976) 4468.6,2963.2 ; 4469.02,2962.78 ccw(c4475.36,2969.12) 4475.36,2960.15 ccw(c4475.36,2970.26) 4482.51,2963.11 ; v1@4474.33,2479.84 cw(c4469.63,2462.33) 4485.34,2471.39 ; v1@4474.33,2526.94 ccw(c4469.45,2545.13) C151.1@4485.76,2535.71 ; v1@4474.33,2802.53 ccw(c4469.55,2820.37) C142.1@4485.54,2811.14 ; v1@4474.33,2881.27 ccw(c4469.84,2898.04) 4484.87,2889.36 ; v1@4474.33,2960.01 ccw(c4469.41,2978.38) 4485.87,2968.87 ; v1@4475.36,2479.71 cw(c4475.36,2470.05) 4482.19,2476.88 cw(c4489.02,2483.71) v1@4479.36,2483.71 ; v1(4475.36,2483.71) v1(4514.73,2444.34) ; v1(4475.36,2523.08) C151.1@4495.14,2542.85 ; v1@4475.36,2527.08 ccw(c4475.36,2536.73) 4482.19,2529.91 ccw(c4489.02,2523.08) v1@4479.36,2523.08 ; v1(4475.36,2798.67) C142.1@4495.14,2818.44 ; v1@4475.36,2802.67 ccw(c4475.36,2812.33) 4482.19,2805.5 ccw(c4489.02,2798.67) v1@4479.36,2798.67 ; v1(4475.36,2877.41) C143.1@4495.05,2897.1 ; v1@4475.36,2881.41 ccw(c4475.36,2891.07) 4482.19,2884.24 ccw(c4489.02,2877.41) v1@4479.36,2877.41 ; 4475.36,2995.52 C109.1@4455.8,2976 ; v1@4475.57,2956.23 4475.51,2956.29 C109.1@4455.8,2976 ; v1@4475.63,2956.23 C120.1@4495.14,2975.74 ; 4475.63,2995.77 C120.1@4495.4,2976 C120.1@4495.14,2975.74 ; v1@4479.36,2956.15 cw(c4488.57,2956.15) 4482.06,2962.66 ; v1@4481.52,2883.57 ccw(c4467.09,2898) C143.1@4487.5,2898 ; 4482.15,2476.92 cw(c4469.22,2464) C128.1@4487.5,2464 ; 4482.41,2805.72 ccw(c4470.13,2818) C142.1@4487.5,2818 ; 4482.6,2963.2 ccw(c4469.79,2976) 4487.9,2976 ccw(c4469.79,2976) 4482.6,2988.8 ; 4482.7,2530.42 ccw(c4471.12,2542) C151.1@4487.5,2542 ; C151.1@4494.96,2542.68 v1(4514.73,2562.45) v1(4554.1,2601.82) v1@4554.28,2601.99 ; C159.1@4495,2622 4514.73,2641.77 C146.1@4534.5,2622 ; C143.1@4494.96,2897.18 C143.1@4495.05,2897.1 ; C142.1@4495,2818 v1@4514.77,2837.77 ; C143.1@4495,2898 4514.75,2917.75 C144.1@4534.5,2898 ; C120.1@4495.05,2975.83 C120.1@4495.14,2975.74 ; C143.1@4495.14,2897.18 C143.1@4495.05,2897.1 ; C128.1@4502.5,2464 ccw(c4520.44,2464) 4507.75,2451.32 ; C151.1@4502.5,2542 cw(c4522.33,2542) 4508.31,2556.02 ; C159.1@4502.5,2622 cw(c4520.71,2622) 4507.83,2634.88 ; C142.1@4502.5,2818 cw(c4520.61,2818) 4507.8,2830.8 ; C120.1@4502.9,2976 ccw(c4522.26,2976) 4508.57,2962.31 ; C143.1@4503.66,2903.62 cw(c4520.93,2893.65) v1@4515.77,2912.92 ; C159.1@4504.06,2628.34 cw(c4520.76,2618.7) v1@4515.77,2637.32 ; 4504.61,2456.76 ccw(c4520.53,2465.95) v1@4515.77,2448.2 ; 4504.96,2825.89 cw(c4520.37,2816.99) v1@4515.77,2834.18 ; 4505.03,2550.34 cw(c4520.35,2541.5) v1@4515.77,2558.58 ; 4505.11,2889.46 ccw(c4520.31,2898.24) v1@4515.77,2881.27 ; 4506.28,2909.28 cw(c4514.73,2900.82) 4514.73,2912.78 cw(c4514.73,2900.74) 4523.25,2909.25 ; 4506.9,2633.94 cw(c4514.73,2626.11) 4514.73,2637.19 cw(c4514.73,2626.13) 4522.55,2633.95 ; 4507.69,2830.69 ccw(c4500.33,2838.04) v1@4510.73,2838.04 ; 4507.8,2910.8 ccw(c4520.61,2898) 4502.5,2898 ccw(c4522.67,2898) v1@4508.41,2883.73 ; 4508.43,2831.43 cw(c4514.73,2825.13) v1@4514.73,2834.04 ; v1@4510.73,2444.34 ccw(c4501.08,2444.34) 4507.9,2451.17 ccw(c4514.73,2457.99) 4514.73,2448.34 ccw(c4514.73,2457.99) 4521.56,2451.17 ccw(c4528.39,2444.34) v1@4518.73,2444.34 ; v1@4510.73,2562.45 cw(c4501.08,2562.45) 4507.9,2555.62 cw(c4514.73,2548.79) v1@4514.73,2558.45 ; v1@4510.73,2877.41 ccw(c4501.08,2877.41) 4507.9,2884.24 ccw(c4514.73,2891.07) 4514.73,2881.41 ccw(c4514.73,2891.07) 4521.56,2884.24 ccw(c4528.39,2877.41) v1@4518.73,2877.41 ; v1@4513.7,2448.2 ccw(c4509.2,2464.99) 4524.25,2456.3 ; v1@4513.7,2566.31 ccw(c4508.9,2584.23) C152.1@4524.96,2574.95 ; v1@4513.7,2637.32 cw(c4508.69,2618.64) C146.1@4525.45,2628.31 ; v1@4513.7,2881.27 ccw(c4509.13,2898.31) 4524.4,2889.49 ; v1@4513.7,2912.92 cw(c4508.51,2893.56) C144.1@4525.87,2903.58 ; v1@4514.65,2444.25 C115.1@4534.42,2464.02 ; v1@4514.73,2566.45 ccw(c4514.73,2576.1) 4521.56,2569.28 ccw(c4528.39,2562.45) v1@4518.73,2562.45 ; 4514.82,2956.06 4514.73,2956.15 C120.1@4495.14,2975.74 ; 4515.23,2956.23 C110.1@4535,2976 v1@4554.77,2956.23 ; v1@4520.92,2450.52 ccw(c4507.44,2464) C115.1@4526.5,2464 ; 4521.11,2883.79 ccw(c4506.91,2898) 4527,2898 ccw(c4508.89,2898) 4521.7,2910.8 ; 4521.7,2634.8 cw(c4508.89,2622) C146.1@4527,2622 ; 4521.85,2569.56 ccw(c4509.41,2582) C152.1@4527,2582 ; 4522.2,2963.2 ccw(c4509.39,2976) C110.1@4527.5,2976 ; C115.1@4534.33,2464.11 v1(4554.1,2444.34) ; C144.1@4534.33,2897.18 C144.1@4534.42,2897.1 ; C110.1@4534.33,2975.75 v1(4554.1,2995.52) ; C146.1@4534.51,2621.76 v1@4554.28,2601.99 ; C155.1@4534.5,2818 v1@4554.27,2798.23 ; C144.1@4534.51,2897.18 C144.1@4534.42,2897.1 ; C115.1@4541.5,2464 ccw(c4558.54,2464) 4546.49,2451.95 ; C152.1@4542,2582 cw(c4560.63,2582) 4547.46,2595.17 ; C146.1@4542,2622 ccw(c4560.66,2622) 4547.47,2608.8 ; C155.1@4542,2818 ccw(c4560.11,2818) 4547.3,2805.2 ; C144.1@4542,2898 ccw(c4562.49,2898) v1@4548,2883.51 ; C115.1@4543.5,2457.13 ccw(c4560.1,2466.72) v1@4555.14,2448.2 ; C155.1@4543.83,2811.21 ccw(c4559.96,2820.52) v1@4555.14,2802.53 ; 4544.23,2589.58 cw(c4559.79,2580.6) v1@4555.14,2597.95 ; 4544.6,2613.77 ccw(c4559.63,2622.45) v1@4555.14,2605.68 ; 4544.64,2889.33 ccw(c4559.61,2897.97) v1@4555.14,2881.27 ; 4544.72,2983.66 cw(c4559.58,2975.08) v1@4555.14,2991.66 ; 4545.27,2967.59 ccw(c4559.35,2975.72) v1@4555.14,2960.01 ; 4546.75,2964.25 cw(c4538.65,2956.15) v1@4550.1,2956.15